# Altium PCB 24V-12V__4x5.PcbDoc (part 2 of 3) (continued)
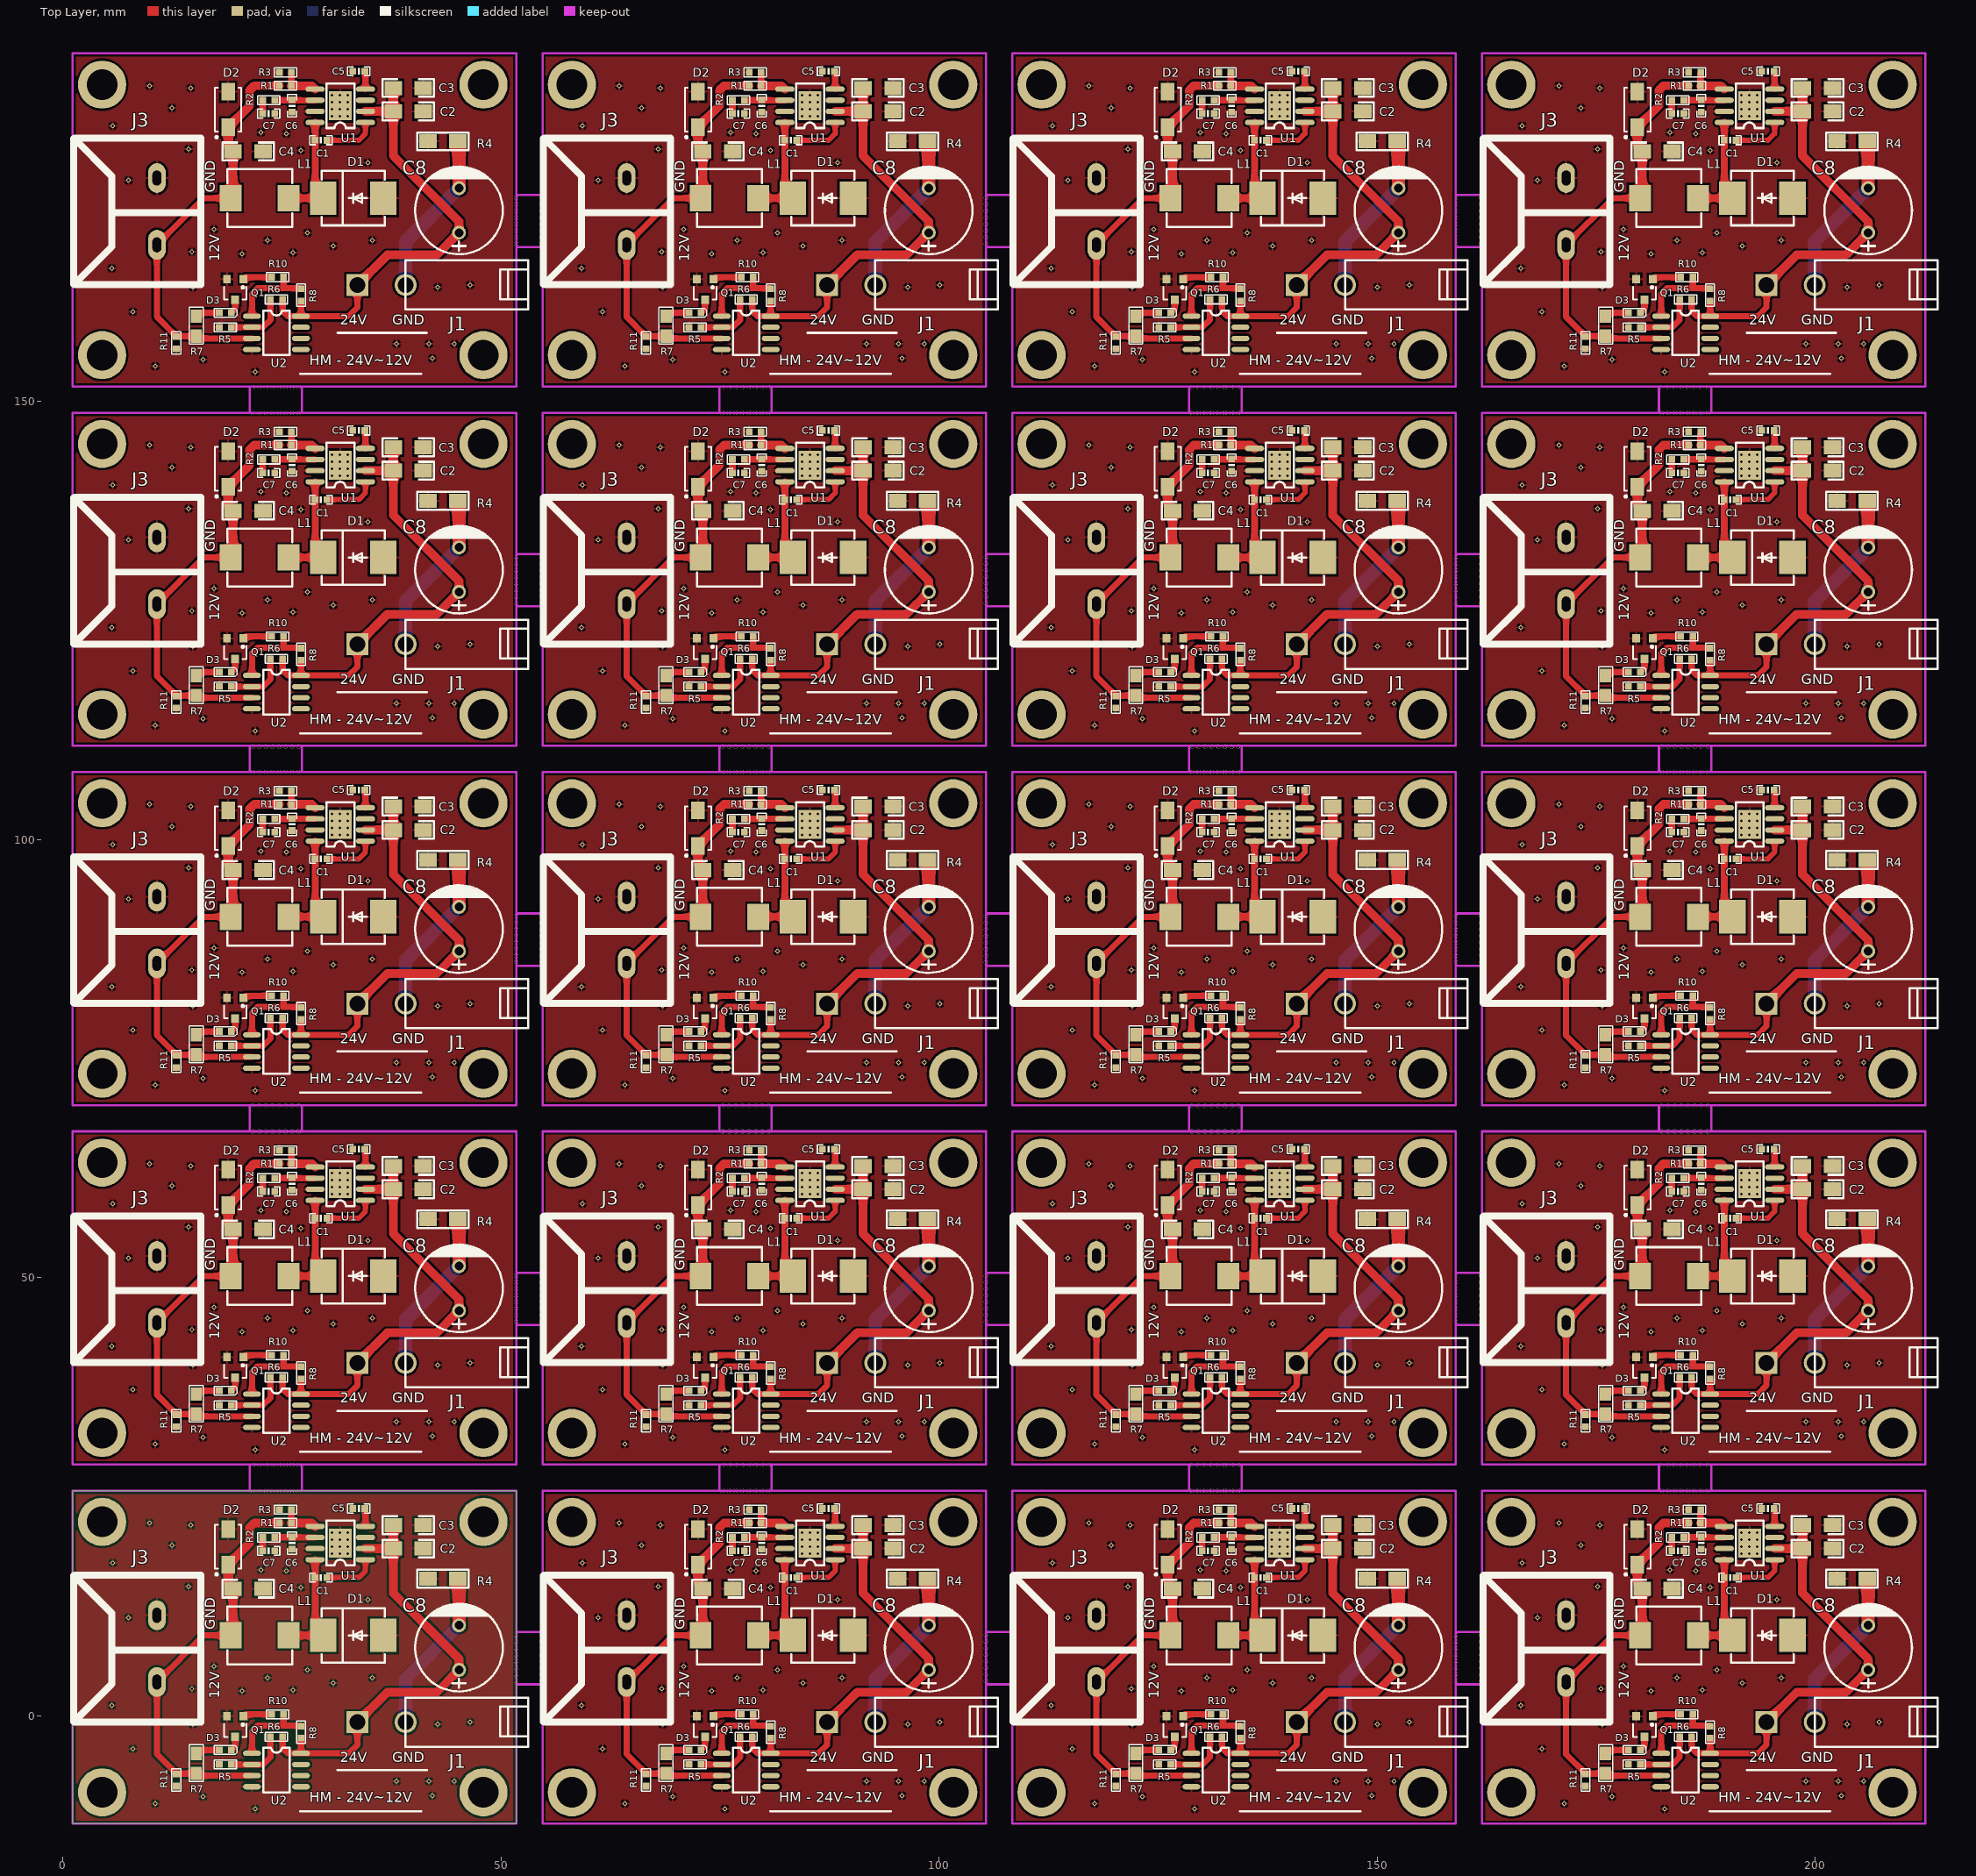
[diagram p0: Top Layer view]
## Nets (pads, with @x,y where several pads share a name; then routed paths per layer and width w, separated by ;. In a path a pad name is that pad's centre, name@x,y a point inside that pad or via, vN(x,y) a via of type N, cw(c..) or ccw(c..) an arc to the next point about the centre after c; other vN are vias at no path point) (continued)
  Top Layer w1.5: 45.212,10.314 45.212,15.525 ; 45.212,51.314 45.212,56.525 ; 45.212,92.314 45.212,97.525 ; 45.212,133.314 45.212,138.525 ; 45.212,174.314 45.212,179.525 ; 98.812,10.314 98.812,15.525 ; 98.812,51.314 98.812,56.525 ; 98.812,92.314 98.812,97.525 ; 98.812,133.314 98.812,138.525 ; 98.812,174.314 98.812,179.525 ; 152.412,10.314 152.412,15.525 ; 152.412,51.314 152.412,56.525 ; 152.412,92.314 152.412,97.525 ; 152.412,133.314 152.412,138.525 ; 152.412,174.314 152.412,179.525 ; 206.012,10.314 206.012,15.525 ; 206.012,51.314 206.012,56.525 ; 206.012,92.314 206.012,97.525 ; 206.012,133.314 206.012,138.525 ; 206.012,174.314 206.012,179.525
  Bottom Layer w1.5: 39.116,-0.735 39.116,4.218 45.212,10.314 ; 39.116,40.265 39.116,45.218 45.212,51.314 ; 39.116,81.265 39.116,86.218 45.212,92.314 ; 39.116,122.265 39.116,127.218 45.212,133.314 ; 39.116,163.265 39.116,168.218 45.212,174.314 ; 92.716,-0.735 92.716,4.218 98.812,10.314 ; 92.716,40.265 92.716,45.218 98.812,51.314 ; 92.716,81.265 92.716,86.218 98.812,92.314 ; 92.716,122.265 92.716,127.218 98.812,133.314 ; 92.716,163.265 92.716,168.218 98.812,174.314 ; 146.316,-0.735 146.316,4.218 152.412,10.314 ; 146.316,40.265 146.316,45.218 152.412,51.314 ; 146.316,81.265 146.316,86.218 152.412,92.314 ; 146.316,122.265 146.316,127.218 152.412,133.314 ; 146.316,163.265 146.316,168.218 152.412,174.314 ; 199.916,-0.735 199.916,4.218 206.012,10.314 ; 199.916,40.265 199.916,45.218 206.012,51.314 ; 199.916,81.265 199.916,86.218 206.012,92.314 ; 199.916,122.265 199.916,127.218 206.012,133.314 ; 199.916,163.265 199.916,168.218 206.012,174.314
  other v1: 21.971,-10.641 75.571,-10.641 129.171,-10.641 182.771,-10.641 10.541,-10.006 64.141,-10.006 117.741,-10.006 171.341,-10.006 16.002,-9.244 69.602,-9.244 123.202,-9.244 176.802,-9.244 42.164,-9.117 95.764,-9.117 149.364,-9.117 202.964,-9.117 38.1,-7.466 41.783,-7.466 44.704,-7.466 91.7,-7.466 95.383,-7.466 98.304,-7.466 145.3,-7.466 148.983,-7.466 151.904,-7.466 198.9,-7.466 202.583,-7.466 205.504,-7.466 8.001,-3.783 61.601,-3.783 115.201,-3.783 168.801,-3.783 14.859,-0.989 42.799,-0.989 68.459,-0.989 96.399,-0.989 122.059,-0.989 149.999,-0.989 175.659,-0.989 203.599,-0.989 46.482,-0.735 100.082,-0.735 153.682,-0.735 207.282,-0.735 5.588,1.17 59.188,1.17 112.788,1.17 166.388,1.17 20.447,2.821 74.047,2.821 127.647,2.821 181.247,2.821 26.289,2.948 79.889,2.948 133.489,2.948 187.089,2.948 14.732,3.075 68.332,3.075 121.932,3.075 175.532,3.075 30.861,3.71 84.461,3.71 138.061,3.71 191.661,3.71 23.368,4.345 35.306,4.345 76.968,4.345 88.906,4.345 130.568,4.345 142.506,4.345 184.168,4.345 196.106,4.345 27.94,5.234 81.54,5.234 135.14,5.234 188.74,5.234 17.272,5.615 70.872,5.615 124.472,5.615 178.072,5.615 7.493,11.203 61.093,11.203 114.693,11.203 168.293,11.203 34.798,13.235 88.398,13.235 141.998,13.235 195.598,13.235 27.178,14.632 80.778,14.632 134.378,14.632 187.978,14.632 14.351,14.759 67.951,14.759 121.551,14.759 175.151,14.759 25.527,16.537 79.127,16.537 132.727,16.537 186.327,16.537 22.606,16.664 76.206,16.664 129.806,16.664 183.406,16.664 5.715,17.426 59.315,17.426 112.915,17.426 166.515,17.426 30.744,18.507 31.644,18.507 32.544,18.507 84.344,18.507 85.244,18.507 86.144,18.507 137.944,18.507 138.844,18.507 139.744,18.507 191.544,18.507 192.444,18.507 193.344,18.507 30.744,19.307 31.644,19.307 32.544,19.307 84.344,19.307 85.244,19.307 86.144,19.307 137.944,19.307 138.844,19.307 139.744,19.307 191.544,19.307 192.444,19.307 193.344,19.307 12.446,19.458 66.046,19.458 119.646,19.458 173.246,19.458 30.744,20.107 31.644,20.107 32.544,20.107 84.344,20.107 85.244,20.107 86.144,20.107 137.944,20.107 138.844,20.107 139.744,20.107 191.544,20.107 192.444,20.107 193.344,20.107 30.744,20.907 31.644,20.907 32.544,20.907 84.344,20.907 85.244,20.907 86.144,20.907 137.944,20.907 138.844,20.907 139.744,20.907 191.544,20.907 192.444,20.907 193.344,20.907 14.605,21.744 68.205,21.744 121.805,21.744 175.405,21.744 9.906,21.998 63.506,21.998 117.106,21.998 170.706,21.998 21.971,30.359 75.571,30.359 129.171,30.359 182.771,30.359 10.541,30.994 64.141,30.994 117.741,30.994 171.341,30.994 16.002,31.756 69.602,31.756 123.202,31.756 176.802,31.756 42.164,31.883 95.764,31.883 149.364,31.883 202.964,31.883 38.1,33.534 41.783,33.534 44.704,33.534 91.7,33.534 95.383,33.534 98.304,33.534 145.3,33.534 148.983,33.534 151.904,33.534 198.9,33.534 202.583,33.534 205.504,33.534 8.001,37.217 61.601,37.217 115.201,37.217 168.801,37.217 14.859,40.011 42.799,40.011 68.459,40.011 96.399,40.011 122.059,40.011 149.999,40.011 175.659,40.011 203.599,40.011 46.482,40.265 100.082,40.265 153.682,40.265 207.282,40.265 5.588,42.17 59.188,42.17 112.788,42.17 166.388,42.17 20.447,43.821 74.047,43.821 127.647,43.821 181.247,43.821 26.289,43.948 79.889,43.948 133.489,43.948 187.089,43.948 14.732,44.075 68.332,44.075 121.932,44.075 175.532,44.075 30.861,44.71 84.461,44.71 138.061,44.71 191.661,44.71 23.368,45.345 35.306,45.345 76.968,45.345 88.906,45.345 130.568,45.345 142.506,45.345 184.168,45.345 196.106,45.345 27.94,46.234 81.54,46.234 135.14,46.234 188.74,46.234 17.272,46.615 70.872,46.615 124.472,46.615 178.072,46.615 7.493,52.203 61.093,52.203 114.693,52.203 168.293,52.203 34.798,54.235 88.398,54.235 141.998,54.235 195.598,54.235 27.178,55.632 80.778,55.632 134.378,55.632 187.978,55.632 14.351,55.759 67.951,55.759 121.551,55.759 175.151,55.759 25.527,57.537 79.127,57.537 132.727,57.537 186.327,57.537 22.606,57.664 76.206,57.664 129.806,57.664 183.406,57.664 5.715,58.426 59.315,58.426 112.915,58.426 166.515,58.426 30.744,59.507 31.644,59.507 32.544,59.507 84.344,59.507 85.244,59.507 86.144,59.507 137.944,59.507 138.844,59.507 139.744,59.507 191.544,59.507 192.444,59.507 193.344,59.507 30.744,60.307 31.644,60.307 32.544,60.307 84.344,60.307 85.244,60.307 86.144,60.307 137.944,60.307 138.844,60.307 139.744,60.307 191.544,60.307 192.444,60.307 193.344,60.307 12.446,60.458 66.046,60.458 119.646,60.458 173.246,60.458 30.744,61.107 31.644,61.107 32.544,61.107 84.344,61.107 85.244,61.107 86.144,61.107 137.944,61.107 138.844,61.107 139.744,61.107 191.544,61.107 192.444,61.107 193.344,61.107 30.744,61.907 31.644,61.907 32.544,61.907 84.344,61.907 85.244,61.907 86.144,61.907 137.944,61.907 138.844,61.907 139.744,61.907 191.544,61.907 192.444,61.907 193.344,61.907 14.605,62.744 68.205,62.744 121.805,62.744 175.405,62.744 9.906,62.998 63.506,62.998 117.106,62.998 170.706,62.998 21.971,71.359 75.571,71.359 129.171,71.359 182.771,71.359 10.541,71.994 64.141,71.994 117.741,71.994 171.341,71.994 16.002,72.756 69.602,72.756 123.202,72.756 176.802,72.756 42.164,72.883 95.764,72.883 149.364,72.883 202.964,72.883 38.1,74.534 41.783,74.534 44.704,74.534 91.7,74.534 95.383,74.534 98.304,74.534 145.3,74.534 148.983,74.534 151.904,74.534 198.9,74.534 202.583,74.534 205.504,74.534 8.001,78.217 61.601,78.217 115.201,78.217 168.801,78.217 14.859,81.011 42.799,81.011 68.459,81.011 96.399,81.011 122.059,81.011 149.999,81.011 175.659,81.011 203.599,81.011 46.482,81.265 100.082,81.265 153.682,81.265 207.282,81.265 5.588,83.17 59.188,83.17 112.788,83.17 166.388,83.17 20.447,84.821 74.047,84.821 127.647,84.821 181.247,84.821 26.289,84.948 79.889,84.948 133.489,84.948 187.089,84.948 14.732,85.075 68.332,85.075 121.932,85.075 175.532,85.075 30.861,85.71 84.461,85.71 138.061,85.71 191.661,85.71 23.368,86.345 35.306,86.345 76.968,86.345 88.906,86.345 130.568,86.345 142.506,86.345 184.168,86.345 196.106,86.345 27.94,87.234 81.54,87.234 135.14,87.234 188.74,87.234 17.272,87.615 70.872,87.615 124.472,87.615 178.072,87.615 7.493,93.203 61.093,93.203 114.693,93.203 168.293,93.203 34.798,95.235 88.398,95.235 141.998,95.235 195.598,95.235 27.178,96.632 80.778,96.632 134.378,96.632 187.978,96.632 14.351,96.759 67.951,96.759 121.551,96.759 175.151,96.759 25.527,98.537 79.127,98.537 132.727,98.537 186.327,98.537 22.606,98.664 76.206,98.664 129.806,98.664 183.406,98.664 5.715,99.426 59.315,99.426 112.915,99.426 166.515,99.426 30.744,100.507 31.644,100.507 32.544,100.507 84.344,100.507 85.244,100.507 86.144,100.507 137.944,100.507 138.844,100.507 139.744,100.507 191.544,100.507 192.444,100.507 193.344,100.507 30.744,101.307 31.644,101.307 32.544,101.307 84.344,101.307 85.244,101.307 86.144,101.307 137.944,101.307 138.844,101.307 139.744,101.307 191.544,101.307 192.444,101.307 193.344,101.307 12.446,101.458 66.046,101.458 119.646,101.458 173.246,101.458 30.744,102.107 31.644,102.107 32.544,102.107 84.344,102.107 85.244,102.107 86.144,102.107 137.944,102.107 138.844,102.107 139.744,102.107 191.544,102.107 192.444,102.107 193.344,102.107 30.744,102.907 31.644,102.907 32.544,102.907 84.344,102.907 85.244,102.907 86.144,102.907 137.944,102.907 138.844,102.907 139.744,102.907 191.544,102.907 192.444,102.907 193.344,102.907 14.605,103.744 68.205,103.744 121.805,103.744 175.405,103.744 9.906,103.998 63.506,103.998 117.106,103.998 170.706,103.998 21.971,112.359 75.571,112.359 129.171,112.359 182.771,112.359 10.541,112.994 64.141,112.994 117.741,112.994 171.341,112.994 16.002,113.756 69.602,113.756 123.202,113.756 176.802,113.756 42.164,113.883 95.764,113.883 149.364,113.883 202.964,113.883 38.1,115.534 41.783,115.534 44.704,115.534 91.7,115.534 95.383,115.534 98.304,115.534 145.3,115.534 148.983,115.534 151.904,115.534 198.9,115.534 202.583,115.534 205.504,115.534 8.001,119.217 61.601,119.217 115.201,119.217 168.801,119.217 14.859,122.011 42.799,122.011 68.459,122.011 96.399,122.011 122.059,122.011 149.999,122.011 175.659,122.011 203.599,122.011 46.482,122.265 100.082,122.265 153.682,122.265 207.282,122.265 5.588,124.17 59.188,124.17 112.788,124.17 166.388,124.17 20.447,125.821 74.047,125.821 127.647,125.821 181.247,125.821 26.289,125.948 79.889,125.948 133.489,125.948 187.089,125.948 14.732,126.075 68.332,126.075 121.932,126.075 175.532,126.075 30.861,126.71 84.461,126.71 138.061,126.71 191.661,126.71 23.368,127.345 35.306,127.345 76.968,127.345 88.906,127.345 130.568,127.345 142.506,127.345 184.168,127.345 196.106,127.345 27.94,128.234 81.54,128.234 135.14,128.234 188.74,128.234 17.272,128.615 70.872,128.615 124.472,128.615 178.072,128.615 7.493,134.203 61.093,134.203 114.693,134.203 168.293,134.203 34.798,136.235 88.398,136.235 141.998,136.235 195.598,136.235 27.178,137.632 80.778,137.632 134.378,137.632 187.978,137.632 14.351,137.759 67.951,137.759 121.551,137.759 175.151,137.759 25.527,139.537 79.127,139.537 132.727,139.537 186.327,139.537 22.606,139.664 76.206,139.664 129.806,139.664 183.406,139.664 5.715,140.426 59.315,140.426 112.915,140.426 166.515,140.426 30.744,141.507 31.644,141.507 32.544,141.507 84.344,141.507 85.244,141.507 86.144,141.507 137.944,141.507 138.844,141.507 139.744,141.507 191.544,141.507 192.444,141.507 193.344,141.507 30.744,142.307 31.644,142.307 32.544,142.307 84.344,142.307 85.244,142.307 86.144,142.307 137.944,142.307 138.844,142.307 139.744,142.307 191.544,142.307 192.444,142.307 193.344,142.307 12.446,142.458 66.046,142.458 119.646,142.458 173.246,142.458 30.744,143.107 31.644,143.107 32.544,143.107 84.344,143.107 85.244,143.107 86.144,143.107 137.944,143.107 138.844,143.107 139.744,143.107 191.544,143.107 192.444,143.107 193.344,143.107 30.744,143.907 31.644,143.907 32.544,143.907 84.344,143.907 85.244,143.907 86.144,143.907 137.944,143.907 138.844,143.907 139.744,143.907 191.544,143.907 192.444,143.907 193.344,143.907 14.605,144.744 68.205,144.744 121.805,144.744 175.405,144.744 9.906,144.998 63.506,144.998 117.106,144.998 170.706,144.998 21.971,153.359 75.571,153.359 129.171,153.359 182.771,153.359 10.541,153.994 64.141,153.994 117.741,153.994 171.341,153.994 16.002,154.756 69.602,154.756 123.202,154.756 176.802,154.756 42.164,154.883 95.764,154.883 149.364,154.883 202.964,154.883 38.1,156.534 41.783,156.534 44.704,156.534 91.7,156.534 95.383,156.534 98.304,156.534 145.3,156.534 148.983,156.534 151.904,156.534 198.9,156.534 202.583,156.534 205.504,156.534 8.001,160.217 61.601,160.217 115.201,160.217 168.801,160.217 14.859,163.011 42.799,163.011 68.459,163.011 96.399,163.011 122.059,163.011 149.999,163.011 175.659,163.011 203.599,163.011 46.482,163.265 100.082,163.265 153.682,163.265 207.282,163.265 5.588,165.17 59.188,165.17 112.788,165.17 166.388,165.17 20.447,166.821 74.047,166.821 127.647,166.821 181.247,166.821 26.289,166.948 79.889,166.948 133.489,166.948 187.089,166.948 14.732,167.075 68.332,167.075 121.932,167.075 175.532,167.075 30.861,167.71 84.461,167.71 138.061,167.71 191.661,167.71 23.368,168.345 35.306,168.345 76.968,168.345 88.906,168.345 130.568,168.345 142.506,168.345 184.168,168.345 196.106,168.345 27.94,169.234 81.54,169.234 135.14,169.234 188.74,169.234 17.272,169.615 70.872,169.615 124.472,169.615 178.072,169.615 7.493,175.203 61.093,175.203 114.693,175.203 168.293,175.203 34.798,177.235 88.398,177.235 141.998,177.235 195.598,177.235 27.178,178.632 80.778,178.632 134.378,178.632 187.978,178.632 14.351,178.759 67.951,178.759 121.551,178.759 175.151,178.759 25.527,180.537 79.127,180.537 132.727,180.537 186.327,180.537 22.606,180.664 76.206,180.664 129.806,180.664 183.406,180.664 5.715,181.426 59.315,181.426 112.915,181.426 166.515,181.426 30.744,182.507 31.644,182.507 32.544,182.507 84.344,182.507 85.244,182.507 86.144,182.507 137.944,182.507 138.844,182.507 139.744,182.507 191.544,182.507 192.444,182.507 193.344,182.507 30.744,183.307 31.644,183.307 32.544,183.307 84.344,183.307 85.244,183.307 86.144,183.307 137.944,183.307 138.844,183.307 139.744,183.307 191.544,183.307 192.444,183.307 193.344,183.307 12.446,183.458 66.046,183.458 119.646,183.458 173.246,183.458 30.744,184.107 31.644,184.107 32.544,184.107 84.344,184.107 85.244,184.107 86.144,184.107 137.944,184.107 138.844,184.107 139.744,184.107 191.544,184.107 192.444,184.107 193.344,184.107 30.744,184.907 31.644,184.907 32.544,184.907 84.344,184.907 85.244,184.907 86.144,184.907 137.944,184.907 138.844,184.907 139.744,184.907 191.544,184.907 192.444,184.907 193.344,184.907 14.605,185.744 68.205,185.744 121.805,185.744 175.405,185.744 9.906,185.998 63.506,185.998 117.106,185.998 170.706,185.998

## Polygon pours and split planes (outlines as drawn)
no net on Bottom Layer "GND" (solid, remove dead copper, pour order 4): 161.943,189.681 212.543,189.681 212.543,151.681 161.943,151.681
no net on Bottom Layer "GND" (solid, remove dead copper, pour order 4): 161.943,148.681 212.543,148.681 212.543,110.681 161.943,110.681
no net on Bottom Layer "GND" (solid, remove dead copper, pour order 4): 161.943,107.681 212.543,107.681 212.543,69.681 161.943,69.681
no net on Bottom Layer "GND" (solid, remove dead copper, pour order 4): 161.943,66.681 212.543,66.681 212.543,28.681 161.943,28.681
no net on Bottom Layer "GND" (solid, remove dead copper, pour order 4): 161.943,25.681 212.543,25.681 212.543,-12.319 161.943,-12.319
no net on Bottom Layer "GND" (solid, remove dead copper, pour order 4): 108.343,189.681 158.943,189.681 158.943,151.681 108.343,151.681
no net on Bottom Layer "GND" (solid, remove dead copper, pour order 4): 108.343,148.681 158.943,148.681 158.943,110.681 108.343,110.681
no net on Bottom Layer "GND" (solid, remove dead copper, pour order 4): 108.343,107.681 158.943,107.681 158.943,69.681 108.343,69.681
no net on Bottom Layer "GND" (solid, remove dead copper, pour order 4): 108.343,66.681 158.943,66.681 158.943,28.681 108.343,28.681
no net on Bottom Layer "GND" (solid, remove dead copper, pour order 4): 108.343,25.681 158.943,25.681 158.943,-12.319 108.343,-12.319
no net on Bottom Layer "GND" (solid, remove dead copper, pour order 4): 54.743,189.681 105.343,189.681 105.343,151.681 54.743,151.681
no net on Bottom Layer "GND" (solid, remove dead copper, pour order 4): 54.743,148.681 105.343,148.681 105.343,110.681 54.743,110.681
no net on Bottom Layer "GND" (solid, remove dead copper, pour order 4): 54.743,107.681 105.343,107.681 105.343,69.681 54.743,69.681
no net on Bottom Layer "GND" (solid, remove dead copper, pour order 4): 54.743,66.681 105.343,66.681 105.343,28.681 54.743,28.681
no net on Bottom Layer "GND" (solid, remove dead copper, pour order 4): 54.743,25.681 105.343,25.681 105.343,-12.319 54.743,-12.319
no net on Bottom Layer "GND" (solid, remove dead copper, pour order 4): 1.143,189.681 51.743,189.681 51.743,151.681 1.143,151.681
no net on Bottom Layer "GND" (solid, remove dead copper, pour order 4): 1.143,148.681 51.743,148.681 51.743,110.681 1.143,110.681
no net on Bottom Layer "GND" (solid, remove dead copper, pour order 4): 1.143,107.681 51.743,107.681 51.743,69.681 1.143,69.681
no net on Bottom Layer "GND" (solid, remove dead copper, pour order 4): 1.143,66.681 51.743,66.681 51.743,28.681 1.143,28.681
no net on Bottom Layer "GND" (solid, remove dead copper, pour order 4): 1.143,25.681 51.743,25.681 51.743,-12.319 1.143,-12.319
no net on Top Layer "GND" (solid, remove dead copper, pour order 3): 161.943,189.681 212.543,189.681 212.543,151.681 161.943,151.681
no net on Top Layer "GND" (solid, remove dead copper, pour order 3): 161.943,148.681 212.543,148.681 212.543,110.681 161.943,110.681
no net on Top Layer "GND" (solid, remove dead copper, pour order 3): 161.943,107.681 212.543,107.681 212.543,69.681 161.943,69.681
no net on Top Layer "GND" (solid, remove dead copper, pour order 3): 161.943,66.681 212.543,66.681 212.543,28.681 161.943,28.681
no net on Top Layer "GND" (solid, remove dead copper, pour order 3): 161.943,25.681 212.543,25.681 212.543,-12.319 161.943,-12.319
no net on Top Layer "GND" (solid, remove dead copper, pour order 3): 108.343,189.681 158.943,189.681 158.943,151.681 108.343,151.681
no net on Top Layer "GND" (solid, remove dead copper, pour order 3): 108.343,148.681 158.943,148.681 158.943,110.681 108.343,110.681
no net on Top Layer "GND" (solid, remove dead copper, pour order 3): 108.343,107.681 158.943,107.681 158.943,69.681 108.343,69.681
no net on Top Layer "GND" (solid, remove dead copper, pour order 3): 108.343,66.681 158.943,66.681 158.943,28.681 108.343,28.681
no net on Top Layer "GND" (solid, remove dead copper, pour order 3): 108.343,25.681 158.943,25.681 158.943,-12.319 108.343,-12.319
no net on Top Layer "GND" (solid, remove dead copper, pour order 3): 54.743,189.681 105.343,189.681 105.343,151.681 54.743,151.681
no net on Top Layer "GND" (solid, remove dead copper, pour order 3): 54.743,148.681 105.343,148.681 105.343,110.681 54.743,110.681
no net on Top Layer "GND" (solid, remove dead copper, pour order 3): 54.743,107.681 105.343,107.681 105.343,69.681 54.743,69.681
no net on Top Layer "GND" (solid, remove dead copper, pour order 3): 54.743,66.681 105.343,66.681 105.343,28.681 54.743,28.681
no net on Top Layer "GND" (solid, remove dead copper, pour order 3): 54.743,25.681 105.343,25.681 105.343,-12.319 54.743,-12.319
no net on Top Layer "GND" (solid, remove dead copper, pour order 3): 1.143,189.681 51.743,189.681 51.743,151.681 1.143,151.681
no net on Top Layer "GND" (solid, remove dead copper, pour order 3): 1.143,148.681 51.743,148.681 51.743,110.681 1.143,110.681
no net on Top Layer "GND" (solid, remove dead copper, pour order 3): 1.143,107.681 51.743,107.681 51.743,69.681 1.143,69.681
no net on Top Layer "GND" (solid, remove dead copper, pour order 3): 1.143,66.681 51.743,66.681 51.743,28.681 1.143,28.681
no net on Top Layer "GND" (solid, remove dead copper, pour order 3): 1.143,25.681 51.743,25.681 51.743,-12.319 1.143,-12.319

## Keep-outs
Keep-Out Layer:
  lines w0.254: 21.336,25.681 21.336,28.681 ; 21.336,66.681 21.336,69.681 ; 21.336,107.681 21.336,110.681 ; 21.336,148.681 21.336,151.681 ; 27.305,25.681 27.305,28.681 ; 27.305,66.681 27.305,69.681 ; 27.305,107.681 27.305,110.681 ; 27.305,148.681 27.305,151.681 ; 51.743,3.583 54.743,3.583 ; 51.743,9.552 54.743,9.552 ; 51.743,44.583 54.743,44.583 ; 51.743,50.552 54.743,50.552 ; 51.743,85.583 54.743,85.583 ; 51.743,91.552 54.743,91.552 ; 51.743,126.583 54.743,126.583 ; 51.743,132.552 54.743,132.552 ; 51.743,167.583 54.743,167.583 ; 51.743,173.552 54.743,173.552 ; 74.936,25.681 74.936,28.681 ; 74.936,66.681 74.936,69.681 ; 74.936,107.681 74.936,110.681 ; 74.936,148.681 74.936,151.681 ; 80.905,25.681 80.905,28.681 ; 80.905,66.681 80.905,69.681 ; 80.905,107.681 80.905,110.681 ; 80.905,148.681 80.905,151.681 ; 105.343,3.583 108.343,3.583 ; 105.343,9.552 108.343,9.552 ; 105.343,44.583 108.343,44.583 ; 105.343,50.552 108.343,50.552 ; 105.343,85.583 108.343,85.583 ; 105.343,91.552 108.343,91.552 ; 105.343,126.583 108.343,126.583 ; 105.343,132.552 108.343,132.552 ; 105.343,167.583 108.343,167.583 ; 105.343,173.552 108.343,173.552 ; 128.536,25.681 128.536,28.681 ; 128.536,66.681 128.536,69.681 ; 128.536,107.681 128.536,110.681 ; 128.536,148.681 128.536,151.681 ; 134.505,25.681 134.505,28.681 ; 134.505,66.681 134.505,69.681 ; 134.505,107.681 134.505,110.681 ; 134.505,148.681 134.505,151.681 ; 158.943,3.583 161.943,3.583 ; 158.943,9.552 161.943,9.552 ; 158.943,44.583 161.943,44.583 ; 158.943,50.552 161.943,50.552 ; 158.943,85.583 161.943,85.583 ; 158.943,91.552 161.943,91.552 ; 158.943,126.583 161.943,126.583 ; 158.943,132.552 161.943,132.552 ; 158.943,167.583 161.943,167.583 ; 158.943,173.552 161.943,173.552 ; 182.136,25.681 182.136,28.681 ; 182.136,66.681 182.136,69.681 ; 182.136,107.681 182.136,110.681 ; 182.136,148.681 182.136,151.681 ; 188.105,25.681 188.105,28.681 ; 188.105,66.681 188.105,69.681 ; 188.105,107.681 188.105,110.681 ; 188.105,148.681 188.105,151.681 ; 1.143,-12.319 1.143,25.681 51.743,25.681 51.743,-12.319 1.143,-12.319 ; 1.143,28.681 1.143,66.681 51.743,66.681 51.743,28.681 1.143,28.681 ; 1.143,69.681 1.143,107.681 51.743,107.681 51.743,69.681 1.143,69.681 ; 1.143,110.681 1.143,148.681 51.743,148.681 51.743,110.681 1.143,110.681 ; 1.143,151.681 1.143,189.681 51.743,189.681 51.743,151.681 1.143,151.681 ; 54.743,-12.319 54.743,25.681 105.343,25.681 105.343,-12.319 54.743,-12.319 ; 54.743,28.681 54.743,66.681 105.343,66.681 105.343,28.681 54.743,28.681 ; 54.743,69.681 54.743,107.681 105.343,107.681 105.343,69.681 54.743,69.681 ; 54.743,110.681 54.743,148.681 105.343,148.681 105.343,110.681 54.743,110.681 ; 54.743,151.681 54.743,189.681 105.343,189.681 105.343,151.681 54.743,151.681 ; 108.343,-12.319 108.343,25.681 158.943,25.681 158.943,-12.319 108.343,-12.319 ; 108.343,28.681 108.343,66.681 158.943,66.681 158.943,28.681 108.343,28.681 ; 108.343,69.681 108.343,107.681 158.943,107.681 158.943,69.681 108.343,69.681 ; 108.343,110.681 108.343,148.681 158.943,148.681 158.943,110.681 108.343,110.681 ; 108.343,151.681 108.343,189.681 158.943,189.681 158.943,151.681 108.343,151.681 ; 161.943,-12.319 161.943,25.681 212.543,25.681 212.543,-12.319 161.943,-12.319 ; 161.943,28.681 161.943,66.681 212.543,66.681 212.543,28.681 161.943,28.681 ; 161.943,69.681 161.943,107.681 212.543,107.681 212.543,69.681 161.943,69.681 ; 161.943,110.681 161.943,148.681 212.543,148.681 212.543,110.681 161.943,110.681 ; 161.943,151.681 161.943,189.681 212.543,189.681 212.543,151.681 161.943,151.681